# KiCad board AnalogFNN.kicad_pcb (continued)
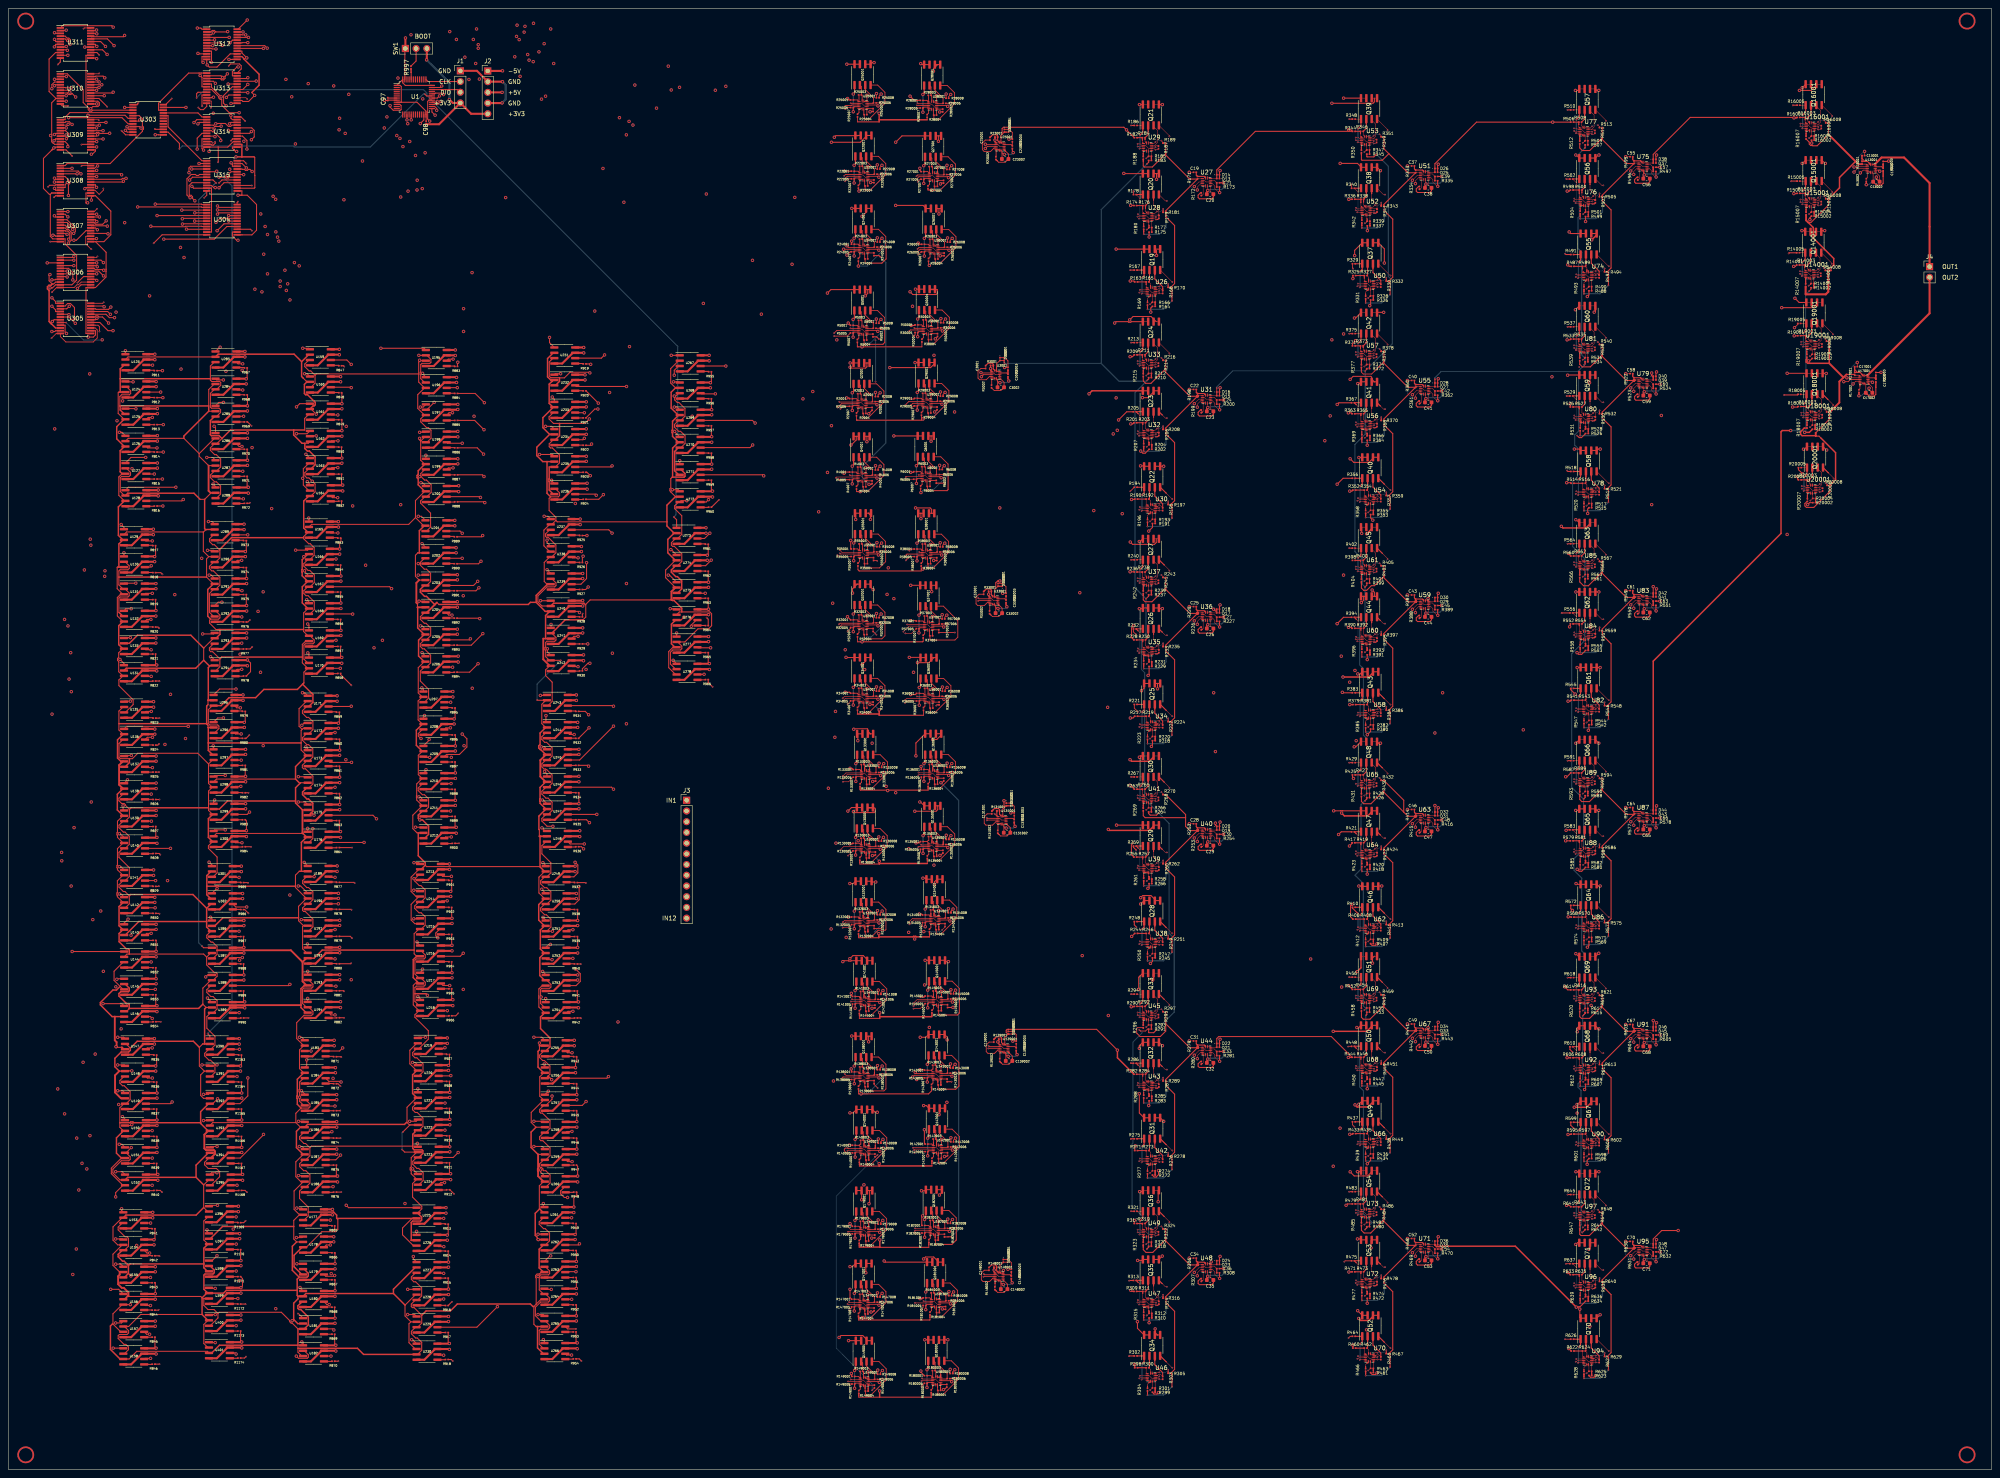
[diagram p0: board, top side]
## Routing (per net, layer and track width the routed paths; a pad name or vN(x,y) marks a point on that pad's centre or on a via; arc(x,y) is an arc through that point) (continued)
  In2.Cu w0.25: v1(319.72,54.7) 237.14,54.7 230.03,47.59 205.25,47.59 196.29,38.63 v1(115.9,38.63)
/W366: length 245.7
  Top w0.25: v1(103.15,27.12) 101.87,27.12 U230.6 ; 323.09,54.48 324.36,54.48 ; 322.95,54.33 v1(322.95,52.58)
  In2.Cu w0.25: v1(321.87,33.14) 320.71,31.98 129.89,31.98 125.03,27.12 v1(103.15,27.12)
  In5.Cu w0.25: v1(322.95,52.58) 322.78,52.41 322.78,34.04 v1(321.87,33.14)
/W411: length 296.6
  Top w0.1: Q57.7 Q57.8
  Top w0.25: U231.6 140.51,263.56 v1(141.28,264.33) ; v1(371.37,327.06) 371.94,327.06 372.29,327.41
  In2.Cu w0.25: v1(144.81,320.59) 224.19,320.59 224.27,320.68 364.99,320.68 v1(371.37,327.06)
  In3.Cu w0.25: v1(141.28,264.33) 144.81,267.87 v1(144.81,320.59)
/W412: length 309
  Top w0.1: Q57.6 Q57.5
  Top w0.25: v1(376.91,327.06) 376.46,327.06 Q57.5 ; v1(146.49,256.85) 134.59,256.85 U232.6
  In3.Cu w0.25: v1(146.49,256.85) 146.49,316.48 v1(146.45,316.52)
  In4.Cu w0.25: v1(146.45,316.52) 147.61,317.69 205.81,317.69 207.3,319.18 364.38,319.18 372.26,327.06 v1(376.91,327.06)
/W413: length 275.3
  Top w0.25: v1(369.89,293.5) 370.28,293.11 372.59,293.11 ; v1(136.5,250.62) 134.37,250.62 ; Q55.8 Q55.7
  In1.Cu w0.25: v1(369.89,293.5) 365.82,289.44 v1(365.82,259.14)
  In4.Cu w0.25: v1(136.5,250.62) 158.96,250.62 161.06,252.72 199.21,252.72 202.74,256.25 279.07,256.25 282.17,259.35 363.77,259.35 363.97,259.14 v1(365.82,259.14)
/W414: length 279.8
  Top w0.25: v1(136.5,244.56) 136.15,244.22 134.32,244.22 ; Q55.6 Q55.5
  Top w0.35: 376.4,292.78 v1(375.24,291.62)
  In1.Cu w0.25: v2(372.26,261.46) 372.26,263.28 372.96,263.98 372.96,289.33 v1(375.24,291.62)
  In2.Cu w0.25: v1(136.5,244.56) 137.05,244.56 138.39,245.9 157.36,245.9 157.66,245.61 158.13,245.61 158.43,245.9 261.25,245.9 268.98,253.63 268.99,253.63 269.33,253.96 269.33,253.98 270.87,255.52 317.26,255.52 319.22,257.48 319.22,257.77 319.56,258.11 319.85,258.11 323.21,261.46 v2(372.26,261.46)
/W415: length 305.7
  Top w0.25: U235.6 142.81,237.76 v1(143.06,238.02) ; Q56.7 Q56.8 ; v1(371.47,311.74) 371.56,311.74 372.29,311.01
  In3.Cu w0.25: v1(145.86,300.54) 145.86,240.81 v1(143.06,238.02)
  In4.Cu w0.25: v1(145.86,300.54) 201.07,300.54 201.53,301 272.31,301 272.91,300.4 323.69,300.4 335.03,311.74 v1(371.47,311.74)
/W416: length 324.2
  Top w0.25: v1(376.95,311.74) 376.83,311.74 Q56.5 Q56.6 ; v1(139.31,231.05) 139.05,231.31 U236.6
  In2.Cu w0.25: v1(376.95,311.74) 376.31,311.1 320.58,311.1 320.27,311.41 268.57,311.41 265.16,308 223.22,308 222.85,307.63 215.08,307.63 214.8,307.91 202.72,307.91 202.08,308.54 v1(140.9,308.54)
  In3.Cu w0.25: v1(139.31,231.05) 140.9,232.64 140.9,263.9 140.7,264.09 140.7,264.57 140.9,264.77 v1(140.9,308.54)
/W421: length 286.2
  Top w0.1: Q60.7 Q60.8
  Top w0.25: U237.6 142.27,222.87 v1(143.06,222.07) ; v1(371.37,275.04) 372.29,275.96
  In2.Cu w0.25: v1(147.19,266.3) 148.12,267.23 264.37,267.23 272.18,275.04 v1(371.37,275.04)
  In3.Cu w0.25: v1(147.19,266.3) 147.19,226.2 v1(143.06,222.07)
/W422: length 302.5
  Top w0.1: Q60.6 Q60.5
  Top w0.25: U238.6 133.67,216.22 v1(135,216.22)
  Top w0.35: Q60.5 376.1,274.75 v1(375.83,274.47)
  In3.Cu w0.25: v1(138.96,274.74) 138.96,231.51 138.74,231.29 138.74,230.81 138.96,230.59 138.96,224.45 135,220.49 v1(135,216.22)
  In4.Cu w0.25: v1(375.83,274.47) 375.16,273.81 319.6,273.81 319.4,274.01 318.63,274.01 318.43,273.81 270.2,273.81 269.27,274.74 v1(138.96,274.74)
/W423: length 256
  Top w0.25: U239.6 135.69,209.97 137.01,211.29 v1(137.01,215.06) ; Q58.8 Q58.7 ; v1(371.12,242) 372.26,242 372.59,241.67
  In2.Cu w0.25: v1(371.12,242) 276.72,242 264.5,229.78 193.04,229.78 192.69,229.43 163.72,229.43 157.31,223.03 144.98,223.03 v1(137.01,215.06)
/W424: length 278.7
  Top w0.25: v1(135.34,203.24) 135.06,203.51 U240.6 ; v1(377.26,242) 376.74,242 Q58.5 Q58.6
  In4.Cu w0.25: v1(377.26,242) 375.91,240.66 275.52,240.66 268.01,233.14 216.3,233.14 212.26,229.1 v1(134.36,229.1)
  In5.Cu w0.25: v1(135.34,203.24) 134.36,204.22 v1(134.36,229.1)
/W425: length 296
  Top w0.25: U241.6 134.01,197.6 v1(135,197.6) ; v1(369.51,259.53) 369.56,259.57 372.29,259.57 ; Q59.7 Q59.8
  In3.Cu w0.25: v1(135,197.6) 135,202.77 134.76,203 134.76,203.48 135,203.72 135,213.93 142.48,221.41 v1(142.48,255.42)
  In4.Cu w0.25: v1(369.51,259.53) 366.25,259.53 366.06,259.72 365.58,259.72 365.39,259.53 364.26,259.53 364.09,259.7 279.03,259.7 276.1,256.78 168.72,256.78 167.62,255.67 167.3,255.67 167.05,255.42 v1(142.48,255.42)
/W426: length 306.7
  Top w0.25: v1(374.72,257.74) 374.83,257.86 Q59.6 Q59.5 ; U242.6 133.67,190.42 v1(134.99,190.42)
  In4.Cu w0.25: v1(134.99,190.42) 201.97,190.42 202.08,190.31 202.56,190.31 202.67,190.42 365.55,190.42 v1(374.86,199.73)
  In5.Cu w0.25: v1(374.86,199.73) 374.86,216.04 374.92,216.1 374.92,257.55 v1(374.72,257.74)
/W431: length 274.9
  Top w0.1: Q63.7 Q63.8
  Top w0.25: v1(371.47,225.25) 371.57,225.25 372.29,224.53 ; 132.57,181.16 143.26,181.16 v1(143.4,181.03)
  In3.Cu w0.25: v1(146.47,210.12) 146.47,184.1 v1(143.4,181.03)
  In4.Cu w0.25: v1(371.47,225.25) 328.3,225.25 326.88,223.83 324.71,223.83 317.09,216.22 170.65,216.22 164.55,210.12 v1(146.47,210.12)
/W432: length 287.7
  Top w0.1: Q63.6 Q63.5
  Top w0.25: U244.6 132.97,174.32 v1(134.08,174.32)
  Top w0.35: 374.83,224.27 373.86,223.3 368.42,223.3 v1(368.03,223.68)
  In3.Cu w0.25: v1(359.02,175.42) 359.02,214.67 v1(368.03,223.68)
  In4.Cu w0.25: v1(359.02,175.42) 274.19,175.42 273.09,174.32 v1(134.08,174.32)
/W433: length 250.4
  Top w0.25: 132.57,168.26 135.37,168.26 v1(143.4,176.29) ; v1(371.78,190.19) 372.56,190.19 ; Q61.8 Q61.7
  In4.Cu w0.25: v1(143.4,176.29) 146.21,176.29 146.23,176.28 146.7,176.28 146.72,176.29 262.53,176.29 268.63,182.39 318.07,182.39 320.55,184.87 366.46,184.87 v1(371.78,190.19)
/W434: length 266.7
  Top w0.25: v1(143.4,161.35) 142.93,161.81 U246.6 ; v1(377.23,190.19) 376.43,190.19 ; Q61.6 Q61.5
  In4.Cu w0.25: v1(146.47,176.85) 233.98,176.85 240.43,183.3 317.91,183.3 323.62,189.01 369.45,189.01 371.3,190.86 376.57,190.86 v1(377.23,190.19)
  In5.Cu w0.25: v1(143.4,161.35) 143.4,173.78 v1(146.47,176.85)
/W435: length 283.9
  Top w0.25: U247.6 v1(139.45,155.37) ; Q62.7 Q62.8 ; v1(371.49,208.13) 372.29,208.13
  In3.Cu w0.25: v1(139.45,155.37) 143.14,159.06 143.14,160.79 142.82,161.11 142.82,161.59 143.14,161.91 143.14,175.73 142.82,176.05 142.82,176.53 143.14,176.85 143.14,180.47 142.82,180.79 142.82,181.26 143.14,181.58 v1(143.14,193.59)
  In4.Cu w0.25: v1(371.49,208.13) 368.9,205.54 333.26,205.54 330.94,203.21 275.02,203.21 265.4,193.59 v1(143.14,193.59)
/W436: length 295.5
  Top w0.25: Q62.6 Q62.5 ; v1(136.48,148.36) 133.13,148.36 U248.6 ; v1(376.94,208.13) 376.11,208.13
  In2.Cu w0.25: v1(136.9,189.75) 162.58,189.75 164.81,191.97 317,191.97 330.78,205.75 374.57,205.75 v1(376.94,208.13)
  In5.Cu w0.25: v1(136.9,189.75) 136.48,189.33 v1(136.48,148.36)
/W441: length 257.2
  Top w0.1: Q66.7 Q66.8
  Top w0.25: v1(371.47,172.26) Q66.8 ; U249.6 134.01,140.56 134.95,141.5 134.95,143.36 v1(134.29,144.02)
  In2.Cu w0.25: v1(371.47,172.26) 354.22,155 145.28,155 v1(134.29,144.02)
/W442: length 265.4
  Top w0.1: Q66.6 Q66.5
  Top w0.25: U250.6 134.23,134.12 135.26,135.14 135.26,138.23 v1(135.21,138.28) ; v1(376.92,172.26) Q66.5
  In4.Cu w0.25: v1(376.92,172.26) 376.24,172.94 342.74,172.94 327.08,157.29 192.77,157.29 175.15,139.66 136.6,139.66 v1(135.21,138.28)
/W443: length 246.7
  Top w0.25: 372.59,138.78 371.71,138.78 v1(371.52,138.97) ; 132.28,127.66 132.63,128.02 v1(133.78,128.02) ; Q64.8 Q64.7
  In2.Cu w0.25: v1(133.78,128.02) 134.82,128.02 138.85,132.04 171.22,132.04 173.41,134.23 215.43,134.23 219.27,138.08 219.7,138.08 220.03,138.41 220.03,138.84 220.22,139.03 371.46,139.03 v1(371.52,138.97)
/W444: length 254.3
  Top w0.25: U252.6 v1(133.77,121.22) ; v1(377.23,138.39) 376.8,138.39 Q64.5 Q64.6
  In2.Cu w0.25: v1(377.23,138.39) 328.2,138.39 317.53,127.71 269.96,127.71 267.13,124.88 138.93,124.88 135.27,121.22 v1(133.77,121.22)
/W445: length 262.1
  Top w0.25: v1(134.34,118.73) 134.39,118.73 135.53,117.6 135.53,115.77 134.52,114.76 132.28,114.76 ; Q65.7 Q65.8 371.93,156.32 v1(371.44,156.32)
  In4.Cu w0.25: v1(134.34,118.73) 333.86,118.73 v1(371.44,156.32)
/W446: length 294.7
  Top w0.25: v1(376.92,156.32) 376.46,156.32 Q65.5 Q65.6 ; v1(133.79,108.67) 132.63,108.67 U254.6
  In2.Cu w0.25: v1(133.79,108.67) 133.98,108.47 192.24,108.47 194.16,106.55 272.17,106.55 275.68,110.07 v1(375.1,110.07)
  In5.Cu w0.25: v1(375.1,110.07) 374.85,110.32 374.85,154.25 v1(376.92,156.32)
/W451: length 251.6
  Top w0.1: Q69.7 Q69.8
  Top w0.25: v1(133.58,98.85) 132.49,98.85 U255.6 ; 372.18,121.64 v1(371.47,122.34)
  In4.Cu w0.25: v1(133.58,98.85) 138.48,103.75 284.29,103.75 298,117.47 366.6,117.47 v1(371.47,122.34)
/W452: length 259.5
  Top w0.1: Q69.6 Q69.5
  Top w0.25: v1(142.21,93.19) 141.84,92.81 U256.6 ; v1(376.91,122.44) Q69.5
  In4.Cu w0.25: v1(142.21,93.19) 200.38,93.19 210.54,103.35 309.34,103.35 323.08,117.09 371.55,117.09 v1(376.91,122.44)
/W453: length 244.1
  Top w0.25: v1(371.76,86.58) 371.83,86.58 Q67.8 Q67.7 ; v1(136.9,87.27) 135.99,86.37 U257.6
  In2.Cu w0.25: v1(136.9,87.27) 221.78,87.27 221.84,87.33 222.18,87.67 222.66,87.67 222.99,87.33 223.61,87.33 224.78,88.5 369.84,88.5 v1(371.76,86.58)
/W454: length 247.3
  Top w0.25: v1(133.55,80.18) 132.34,80.18 U258.6 ; Q67.6 Q67.5
  Top w0.35: 375.13,87.05 374.01,85.92 v1(371.1,85.92)
  In2.Cu w0.25: v1(133.55,80.18) 136.61,80.18 141.81,85.38 269.62,85.38 269.65,85.35 370.52,85.35 v1(371.1,85.92)
/W455: length 267.4
  Top w0.25: Q68.7 Q68.8 371.8,104.74 v1(371.8,103.83) ; v1(133.58,73.04) 132.5,73.04 132.07,73.46
  In2.Cu w0.25: v1(371.79,84.53) 319.84,84.53 316.18,80.87 316.18,80.73 315.84,80.39 315.69,80.39 314.8,79.5 199.03,79.5 192.57,73.04 v1(133.58,73.04)
  In5.Cu w0.25: v1(371.79,84.53) 372.39,85.13 372.39,90.34 372.03,90.7 372.03,103.6 v1(371.8,103.83)
/W456: length 286.3
  Top w0.25: v1(132.51,64.53) 131.74,64.53 130.87,65.39 130.87,66.1 131.79,67.01 ; Q68.6 Q68.5 376.83,104.51 v1(376.95,104.51)
  In2.Cu w0.25: v1(144.46,106.15) 272.43,106.15 272.61,106.32 337.68,106.32 338.56,105.44 376.02,105.44 v1(376.95,104.51)
  In5.Cu w0.25: v1(132.51,64.53) 144.46,76.48 v1(144.46,106.15)
/W461: length 246.4
  Top w0.1: Q72.7 Q72.8
  Top w0.25: Q72.8 371.85,70.64 v1(371.49,70.64) ; U261.6 v1(133.46,59.71)
  In2.Cu w0.25: v1(371.49,70.64) 365.45,64.6 220.96,64.6 220.88,64.53 220.41,64.53 220.34,64.6 162.33,64.6 157.45,59.71 v1(133.46,59.71)
/W462: length 255
  Top w0.1: Q72.6 Q72.5
  Top w0.25: v1(376.93,70.64) 376.55,70.64 Q72.5 ; U262.6 135.06,53.26 v1(135.33,53.53)
  In4.Cu w0.25: v1(376.93,70.64) 376.25,71.32 314.25,71.32 307.08,64.16 208.3,64.16 197.68,53.53 v1(135.33,53.53)
/W463: length 247.6
  Top w0.25: v1(372.41,38.05) 372.41,36.07 Q70.8 Q70.7 ; v1(134.5,46.93) 132.09,46.93
  In4.Cu w0.25: v1(134.5,46.93) 200.96,46.93 202.94,44.95 215.78,44.95 219.7,41.03 224.21,41.03 226.76,38.48 320.38,38.48 320.98,37.88 372.24,37.88 v1(372.41,38.05)
/W464: length 250
  Top w0.25: v1(377.22,36.71) Q70.5 Q70.6 ; U264.6 v1(133.48,40.37)
  In4.Cu w0.25: v1(377.22,36.71) 376.53,37.4 320.32,37.4 320.01,37.09 319.54,37.09 319.23,37.4 223.51,37.4 222.32,38.59 221.65,38.59 221.58,38.66 221.1,38.66 221.03,38.59 207.49,38.59 206.9,37.99 202.28,37.99 199.91,40.37 v1(133.48,40.37)
/W465: length 250.6
  Top w0.25: U265.6 132.54,33.35 v2(134.5,33.35) ; Q71.7 Q71.8 ; 372.29,53.79 371.87,53.79 v1(371.47,53.39)
  In2.Cu w0.25: v1(371.47,53.39) 271.73,53.39 268.18,49.84 268.19,49.83 268.19,49.36 267.85,49.02 267.37,49.02 267.32,48.98 236.58,48.98 220.95,33.35 v2(134.5,33.35)
/W466: length 267.1
  Top w0.25: v1(133.46,27.15) 132.29,27.15 131.97,27.46 ; Q71.6 Q71.5
  Top w0.35: v1(374.56,52.24) 374.83,52.51 Q71.6
  In2.Cu w0.25: v1(133.46,27.15) 220.49,27.15 223.68,30.34 371.15,30.34 v1(374.8,33.99)
  In5.Cu w0.25: v1(374.8,33.99) 374.56,34.23 v1(374.56,52.24)
/W511: length 330
  Top w0.1: Q16001.7 Q16001.8
  Top w0.25: U267.6 v1(170.02,261.7) ; v1(425.11,327.68) 425.94,328.5
  In2.Cu w0.25: v1(425.11,327.68) 424.76,328.03 v1(170.02,328.03)
  In3.Cu w0.25: v1(170.02,261.7) v1(170.02,328.03)
/W512: length 338.6
  Top w0.1: Q16001.6 Q16001.5
  Top w0.25: v1(167.54,255.1) 164.2,255.1 ; 428.48,328.29 427.24,327.06 v1(424.46,327.06)
  In1.Cu w0.25: v1(167.54,255.1) v1(167.54,327.1)
  In2.Cu w0.25: v1(424.46,327.06) 423.84,327.68 198.59,327.68 198.01,327.1 v1(167.54,327.1)
/W513: length 299.3
  Top w0.1: Q14001.7 Q14001.8
  Top w0.25: U269.6 176.33,248.8 v1(176.96,248.17) ; v1(425.06,293.81) 425.56,293.81 Q14001.8
  In2.Cu w0.25: v1(425.06,293.81) 418.02,286.76 186.65,286.76 v1(185.72,285.83)
  In5.Cu w0.25: v1(185.72,285.83) 185.72,256.92 v1(176.96,248.17)
/W514: length 315.6
  Top w0.1: Q14001.6 Q14001.5
  Top w0.25: v1(176.38,242.98) 175.75,242.35 U270.6 ; v1(430.46,293.81) 429.92,293.81 Q14001.5
  In4.Cu w0.25: v1(176.34,286.76) 423.41,286.76 v1(430.46,293.81)
  In5.Cu w0.25: v1(176.34,286.76) 176.34,243.02 v1(176.38,242.98)
/W515: length 329
  Top w0.1: Q15001.7 Q15001.8
  Top w0.25: Q15001.8 425.16,309.75 v1(425.11,309.75) ; v1(179,235.66) 178.75,235.9 U271.6
  In2.Cu w0.25: v1(186.36,301.69) 317.2,301.69 325.72,310.21 424.65,310.21 v1(425.11,309.75)
  In3.Cu w0.25: v1(186.36,301.69) 186.36,243.02 v1(179,235.66)
/W516: length 346.4
  Top w0.1: Q15001.6 Q15001.5
  Top w0.25: U272.6 165.35,229.45 v1(165.92,230.01) ; Q15001.5 430.53,309.75 v1(430.6,309.75)
  In1.Cu w0.25: v1(165.92,230.01) 165.4,230.53 v1(165.4,302.49)
  In2.Cu w0.25: v1(430.6,309.75) 429.78,310.56 283.69,310.56 275.32,302.19 200.94,302.19 200.64,302.49 v1(165.4,302.49)
/W521: length 273.2
  Top w0.1: 427.52,242.57 426.25,242.57
  Top w0.25: Q20001.8 425.66,241.98 v1(425.43,241.98) ; v1(166.24,222.06) 164.98,220.8 U273.6
  In2.Cu w0.25: v1(166.24,222.06) 185.98,222.06 193.18,229.26 264.47,229.26 271.6,236.38 419.83,236.38 v1(425.43,241.98)
/W522: length 281.6
  Top w0.1: 428.79,242.57 430.06,242.57
  Top w0.25: v1(166.55,215.67) 165.24,214.35 U274.6 ; Q20001.5 430.85,241.78 v1(430.92,241.78)
  In4.Cu w0.25: v1(166.55,215.67) 169.47,218.59 213.97,218.59 214.17,218.39 316.21,218.39 322.13,224.3 325.18,224.3 341.06,240.18 429.33,240.18 v1(430.92,241.78)
/W523: length 308
  Top w0.1: 427.42,259.97 Q18001.8
  Top w0.25: Q18001.8 v1(421.55,259.97) ; v1(165.14,207.81) 163.39,207.81
  In3.Cu w0.25: v1(421.55,259.97) v1(421.55,221.76)
  In4.Cu w0.25: v1(421.55,221.76) 323.72,221.76 316.92,214.96 216.73,214.96 212.43,210.66 201.47,210.66 198.62,207.81 v1(165.14,207.81)
/W524: length 327.9
  Top w0.1: Q18001.6 429.96,259.97
  Top w0.25: v1(161.85,199.98) 161.85,200.28 163.02,201.45 ; v1(430.81,259.93) 430,259.93
  In1.Cu w0.25: v1(161.85,199.98) 161.85,249.59 v1(162.05,249.79)
  In4.Cu w0.25: v1(430.81,259.93) 429.78,258.9 384.17,258.9 382.22,256.95 315.67,256.95 309.17,250.46 224.71,250.46 224.47,250.23 224,250.23 223.77,250.46 222.94,250.46 222.35,249.88 219.12,249.88 218.89,250.11 205.02,250.11 204.06,249.15 165.58,249.15 164.86,249.86 162.11,249.86 v1(162.05,249.79)
/W525: length 338.6
  Top w0.1: Q19001.7 Q19001.8
  Top w0.25: v1(166.41,194.88) 163.42,194.88 ; 426.1,276.77 424.39,276.77 v1(423.4,277.77)
  In3.Cu w0.25: v1(166.41,194.88) 178.45,206.92 178.45,235.39 178.42,235.42 178.42,235.89 178.45,235.92 v1(178.45,274)
  In4.Cu w0.25: v1(178.45,274) 266.6,274 267.15,273.46 318.57,273.46 318.78,273.66 319.25,273.66 319.45,273.46 419.09,273.46 v1(423.4,277.77)
/W526: length 356
  Top w0.1: Q19001.6 Q19001.5
  Top w0.25: v1(420.27,275.54) 427.72,275.54 428.64,276.46 ; v1(164.87,188.59) 163.34,188.59
  In1.Cu w0.25: v1(164.87,188.59) 164.69,188.76 164.69,207.44 164.56,207.57 164.56,208.05 164.69,208.18 v1(164.69,276.55)
  In4.Cu w0.25: v1(164.69,276.55) 269.74,276.55 270.55,275.73 271.33,275.73 271.68,275.38 370.9,275.38 371.13,275.62 371.61,275.62 371.85,275.38 420.11,275.38 v1(420.27,275.54)
/W1110: length 243
  Top w0.25: U286.6 54.67,242.62 v1(55.35,242.62) ; 220.4,316.27 Q27001.5 ; 220.4,316.27 219.76,316.27 ; 220.4,316.27 v1(220.4,315)
  In4.Cu w0.25: v1(220.4,315) 210.87,315 210.85,315.02 210.52,315.35 210.04,315.35 209.69,315 195.63,315 195.63,315.01 195.29,315.34 194.82,315.34 194.48,315.01 194.48,315 95.93,315 95.37,315.56 94.85,315.56 94.29,315 58.03,315 57.82,314.78 57.34,314.78 57.12,315 v1(55.79,315)
  In5.Cu w0.25: v1(55.35,242.62) 54.86,243.11 54.86,260.42 54.81,260.46 54.81,260.94 54.86,260.99 54.86,291.1 55.04,291.28 55.04,307.4 55.79,308.16 v1(55.79,315)
/W1111: length 218.8
  Top w0.25: v1(210.28,299.79) 216.77,299.79 217.5,299.05 Q26001.7 ; 54.1,236.74 v1(55.54,236.74)
  In4.Cu w0.25: v1(55.54,236.74) 55.81,236.46 v1(194.11,236.46)
  In5.Cu w0.25: v1(210.28,299.79) 210.28,265.55 207.49,262.77 207.49,249.85 v1(194.11,236.46)
/W1112: length 234.1
  Top w0.25: 220.53,299.05 Q26001.5 ; 220.53,299.05 Q26001.6 ; 220.53,299.05 v1(220.53,297.76) ; v1(55.67,230.2) 54.19,230.2
  In2.Cu w0.25: v1(220.53,297.76) 202.54,297.76 202.54,297.77 202.06,297.77 202.06,297.76 v1(59.8,297.76)
  In5.Cu w0.25: v1(59.8,297.76) 59.45,297.41 59.45,239.01 55.67,235.23 v1(55.67,230.2)
/W1210: length 223.4
  Top w0.25: 219.5,262.27 218.55,261.32 v1(208.89,261.32) ; Q29001.6 Q29001.5 ; v1(55.29,202.2) 53.94,202.2
  In2.Cu w0.25: v1(55.29,202.2) 62.13,202.2 66.84,206.91 107.29,206.91 107.55,206.65 108.03,206.65 108.29,206.91 164.73,206.91 164.76,206.88 207.58,206.88 v1(208.23,207.54)
  In5.Cu w0.25: v1(208.89,261.32) 207.88,260.31 207.88,207.9 v1(208.23,207.54)
/W1211: length 205.8
  Top w0.25: v1(55.29,195.98) 53.94,195.98 ; v1(209.85,245.12) Q6001.8 Q6001.7
  In3.Cu w0.25: v1(209.85,245.12) v1(209.85,206.53)
  In4.Cu w0.25: v1(55.29,195.98) 134.63,195.98 140.15,201.5 200.55,201.5 205.58,206.53 v1(209.85,206.53)
/W1212: length 219.3
  Top w0.25: 218.66,245.12 v1(218.66,243.86) ; 218.66,245.12 Q6001.5 ; 218.66,245.12 Q6001.6 ; U294.6 54.18,189.77 v1(55.29,189.77)
  In1.Cu w0.25: v1(57.75,242.35) 57.75,197.08 55.53,194.86 55.53,190 v1(55.29,189.77)
  In4.Cu w0.25: v1(218.66,243.86) 217.15,242.35 v1(57.75,242.35)
/W1310: length 208.3
  Top w0.25: v1(55.08,162.02) 53.78,162.02 U298.6 ; v1(218.81,208.19) 218.81,209.7 Q37001.5
  In4.Cu w0.25: v1(55.08,162.02) 76.81,162.02 76.83,162.03 77.16,162.37 77.64,162.37 77.99,162.02 142.76,162.02 143.01,162.27 143.78,162.27 144.04,162.02 193.96,162.02 194.09,162.15 194.56,162.15 194.69,162.02 v1(208.01,162.02)
  In5.Cu w0.25: v1(218.81,208.19) 217.9,207.28 217.9,179.83 ; v1(208.01,162.02) 208.01,164.85 217.85,174.69 217.85,179.78
/W1311: length 196.2
  Top w0.25: v1(213.5,192.61) 216.1,192.61 ; v1(57.13,155.92) 56.58,155.37 U299.6 ; Q36001.8 Q36001.7
  In1.Cu w0.25: v1(210.28,160.53) 210.28,189.39 v1(213.5,192.61)
  In4.Cu w0.25: v1(210.28,160.53) 210.12,160.37 97.74,160.37 97.66,160.46 61.67,160.46 v1(57.13,155.92)
/W1312: length 206.7
  Top w0.25: v1(55.35,148.65) 53.84,148.65 U300.6 ; 219.33,192.55 Q36001.5 ; 219.33,192.55 218.13,191.35 v1(215.45,191.35) ; 219.33,192.55 Q36001.6
  In2.Cu w0.25: v1(59.75,189.08) 164.54,189.08 164.63,189.16 165.11,189.16 165.19,189.08 168.26,189.08 170.53,191.35 201.97,191.35 202.08,191.46 202.56,191.46 202.67,191.35 v1(215.45,191.35)
  In5.Cu w0.25: v1(59.75,189.08) 59.75,159.18 57.06,156.49 56.9,156.49 56.56,156.16 56.56,155.99 55.35,154.78 v1(55.35,148.65)
/W1410: length 202.2
  Top w0.25: U387.6 53.39,121.43 v1(55.44,121.43) ; 220.24,157.4 220.24,156.5 219.86,156.12 v1(214.81,156.12) ; 220.24,157.4 Q135001.5 ; 220.24,157.4 Q135001.6
  In2.Cu w0.25: v1(55.44,121.43) 76.9,121.43 77.16,121.69 77.64,121.69 77.9,121.43 100.44,121.43 104.6,125.58 198.69,125.58 198.72,125.62 198.78,125.62 199.09,125.93 214.66,125.93 v1(214.77,125.82)
  In5.Cu w0.25: v1(214.81,156.12) 214.42,155.73 214.42,126.17 v1(214.77,125.82)
/W1411: length 189.8
  Top w0.25: v1(216.73,140.25) 217.31,140.25 Q134001.8 Q134001.7 ; 53.17,114.76 66.41,114.76 v1(66.7,115.06)
  In4.Cu w0.25: v1(216.73,140.25) 213.42,136.95 135.23,136.95 134.13,138.04 126.79,138.04 126.63,138.2 126.16,138.2 125.99,138.04 73.46,138.04 71.66,136.25 v1(66.7,136.25)
  In5.Cu w0.25: v1(66.7,115.06) v1(66.7,136.25)
/W1412: length 194.2
  Top w0.25: v1(219.46,138.65) 219.46,139.35 Q134001.6 Q134001.5 ; v1(54.68,108.35) 53.21,108.35
  In3.Cu w0.25: v1(217.13,114.93) 219.46,117.25 v1(219.46,138.65)
  In4.Cu w0.25: v1(217.13,114.93) 107.65,114.93 101.6,108.87 55.2,108.87 v1(54.68,108.35)
/W1510: length 190.6
  Top w0.2: v1(222.49,101.88) 222.49,102.56 221.87,103.18
  Top w0.25: 220.6,103.18 221.87,103.18 ; U393.6 v1(54.15,80.31)
  In4.Cu w0.25: v1(54.15,80.31) 56.45,80.31 57.99,81.85 93.39,81.85 93.69,81.55 99.19,81.55 101.78,84.14 134.98,84.14 138.06,87.23 222.28,87.23 v1(222.42,87.09)
  In5.Cu w0.25: v1(222.49,101.88) 222.42,101.81 v1(222.42,87.09)
/W1511: length 172.4
  Top w0.25: v1(216.9,86.31) 217.53,86.31 218.16,85.68 ; v1(60.45,79.49) 60.45,79.38 54.93,73.87 U394.6 ; Q142001.8 Q142001.7
  In2.Cu w0.25: v1(60.45,79.49) 62.89,81.93 72.19,81.93 72.45,82.19 72.92,82.19 73.18,81.93 76.17,81.93 80.38,86.14 216.73,86.14 v1(216.9,86.31)
/W1512: length 177.9
  Top w0.25: U395.6 v1(54.17,67.42) ; v1(220.56,84.17) 220.7,84.31 220.7,85.68 ; Q142001.6 Q142001.5
  In4.Cu w0.25: v1(54.17,67.42) 76.44,67.42 76.7,67.67 77.17,67.67 77.43,67.42 188.88,67.42 205.63,84.17 205.67,84.17 205.68,84.16 206.15,84.16 206.15,84.17 v1(220.56,84.17)
/W1610: length 175.8
  Top w0.25: U399.6 v1(54.37,40.56) ; 220.24,49.45 219.27,50.41 217.35,50.41 v1(216.89,49.95) ; 220.24,49.19 221.51,49.19
  In1.Cu w0.25: v1(54.37,40.56) 54.37,44.44 v1(54.74,44.81)
  In2.Cu w0.25: v1(216.89,49.95) 215.23,48.29 203.56,48.29 200.08,44.81 v1(54.74,44.81)
/W1611: length 168.1
  Top w0.25: U400.6 v1(53.97,34.12) ; Q180001.8 219.26,30.75 ; v1(217.18,30.79) 217.95,30.79
  In4.Cu w0.25: v1(217.18,30.79) 213.9,34.07 54.02,34.07 v1(53.97,34.12)
/W1612: length 174.7
  Top w0.25: v1(222.64,30.79) 221.84,30.79 ; Q180001.6 221.8,30.75 ; v1(53.95,27.39) 53.68,27.67 U401.6
  In4.Cu w0.25: v1(222.64,30.79) 218.12,26.27 55.08,26.27 v1(53.95,27.39)
Net-(C19-Pad1): length 3.3
  Top w0.25: 283.63,306.44 283.72,306.36 ; 283.63,306.44 283.4,306.67 R171.2 281.51,306.95 C19.1 ; 283.63,306.44 283.63,306.41 U27.14
Net-(C20-Pad2): length 8.9
  Top w0.1: 284.14,302.57 U27.7
  Top w0.25: C20.2 284.02,303.12 v1(284.25,303.35) ; v1(287.96,305.15) C21.1
  Bottom w0.25: v1(284.25,303.35) 284.44,303.55 287.56,303.55 287.96,303.95 v1(287.96,305.15)
Net-(C22-Pad1): length 3.3
  Top w0.25: 283.63,254.95 283.72,254.86 ; 283.63,254.95 283.4,255.17 R198.2 281.51,255.45 C22.1 ; 283.63,254.95 283.63,254.92 U31.14
Net-(C23-Pad2): length 8.9
  Top w0.1: 284.14,251.07 U31.7
  Top w0.25: v1(284.25,251.85) 284.02,251.62 C23.2 ; v1(287.96,253.65) C24.1
  Bottom w0.25: v1(284.25,251.85) 284.44,252.05 287.56,252.05 287.96,252.45 v1(287.96,253.65)
Net-(C25-Pad1): length 3.3
  Top w0.25: C25.1 281.51,203.95 R225.2 283.4,203.67 283.63,203.45 ; 283.63,203.45 283.72,203.35 ; 283.63,203.45 283.63,203.42 U36.14
Net-(C26-Pad2): length 8.9
  Top w0.1: U36.7 284.14,199.57
  Top w0.25: v1(284.25,200.35) 284.02,200.12 C26.2 ; v1(287.96,202.15) C27.1
  Bottom w0.25: v1(284.25,200.35) 284.44,200.55 287.56,200.55 287.96,200.95 v1(287.96,202.15)
Net-(C28-Pad1): length 3.3
  Top w0.25: C28.1 281.51,152.45 R252.2 283.4,152.17 283.63,151.95 ; 283.63,151.95 283.72,151.85 ; 283.63,151.95 283.63,151.92 U40.14
Net-(C29-Pad2): length 8.9
  Top w0.1: U40.7 284.14,148.07
  Top w0.25: C29.2 284.02,148.62 v1(284.25,148.85) ; v1(287.96,150.65) C30.1
  Bottom w0.25: v1(284.25,148.85) 284.44,149.05 287.56,149.05 287.96,149.45 v1(287.96,150.65)
Net-(C31-Pad1): length 3.3
  Top w0.25: 283.63,100.45 283.72,100.36 ; 283.63,100.45 283.4,100.67 R279.2 281.51,100.95 C31.1 ; 283.63,100.45 283.63,100.42 U44.14
Net-(C32-Pad2): length 8.9
  Top w0.1: U44.7 284.14,96.57
  Top w0.25: v1(284.25,97.35) 284.02,97.12 C32.2 ; v1(287.96,99.15) C33.1
  Bottom w0.25: v1(284.25,97.35) 284.44,97.55 287.56,97.55 287.96,97.95 v1(287.96,99.15)
Net-(C34-Pad1): length 3.3
  Top w0.25: 283.63,48.95 283.4,49.17 R306.2 281.51,49.45 C34.1 ; 283.63,48.95 283.63,48.92 U48.14 ; 283.63,48.95 283.72,48.86
Net-(C35-Pad2): length 8.9
  Top w0.1: 284.14,45.07 U48.7
  Top w0.25: v1(284.25,45.85) 284.02,45.62 C35.2 ; v1(287.96,47.65) C36.1
  Bottom w0.25: v1(284.25,45.85) 284.44,46.05 287.56,46.05 287.96,46.45 v1(287.96,47.65)
Net-(C37-Pad1): length 3.3
  Top w0.25: 335.33,307.94 335.42,307.86 ; 335.33,307.94 335.33,307.91 U51.14 ; 335.33,307.94 335.1,308.17 R333.2 333.21,308.45 C37.1
Net-(C38-Pad2): length 8.9
  Top w0.1: 335.84,304.07 U51.7
  Top w0.25: C38.2 335.72,304.62 v1(335.94,304.85) ; v1(339.66,306.65) C39.1
  Bottom w0.25: v1(339.66,306.65) 339.66,305.45 339.26,305.05 336.14,305.05 v1(335.94,304.85)
Net-(C40-Pad1): length 3.3
  Top w0.25: 335.33,257.08 335.1,257.3 R360.2 333.21,257.58 C40.1 ; 335.33,257.08 335.33,257.05 U55.14 ; 335.33,257.08 335.42,256.99
Net-(C41-Pad2): length 8.9
  Top w0.1: U55.7 335.84,253.2
  Top w0.25: v1(339.66,255.78) C42.1 ; v1(335.94,253.98) 335.72,253.75 C41.2
  Bottom w0.25: v1(335.94,253.98) 336.14,254.18 339.26,254.18 339.66,254.58 v1(339.66,255.78)
